# Altium PCB precursor_pvt2b.PcbDoc (part 5 of 7)
Units mm, origin at the board's own origin, x right, y up, seen from the top; angles counter-clockwise.
Board outline 62.8 x 62.65 mm, 6 copper layers (L1, L2, L3, L6, L7, L8), stack 0.693 mm thick; 424 components, 311 nets, 2038 pads, 2293 vias.
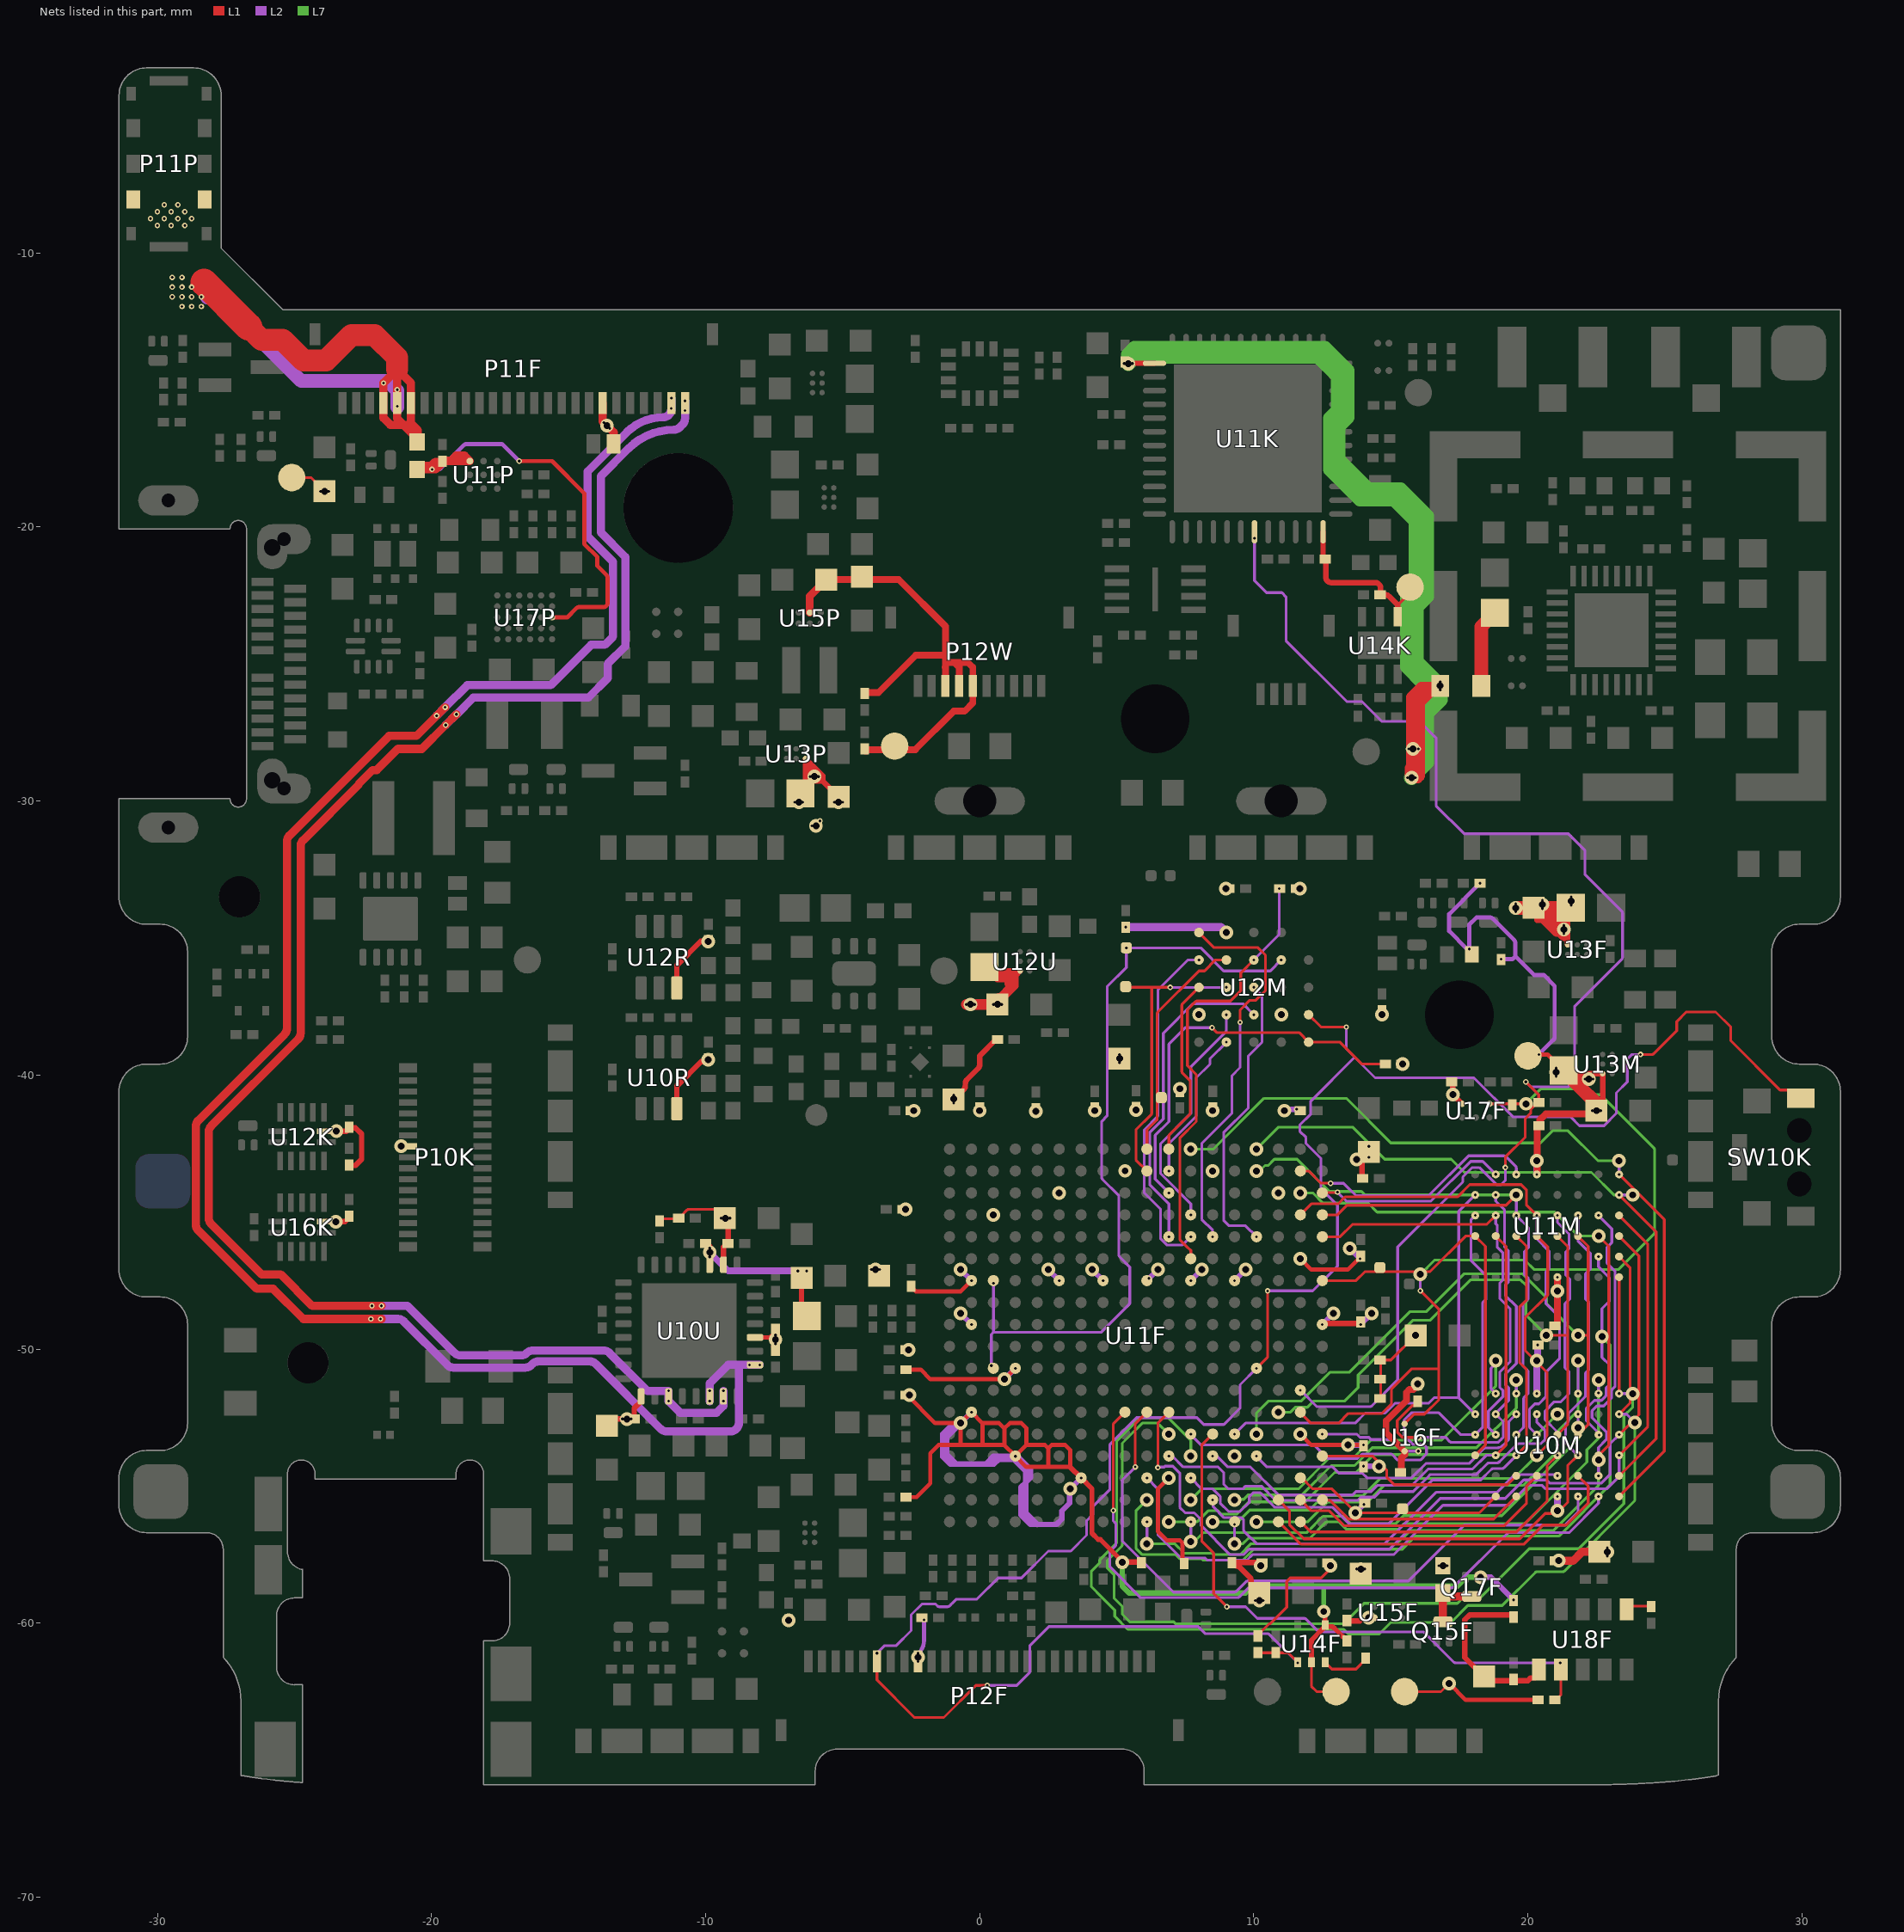
[diagram p9: the nets of this part, all layers, seen from the top]

## Via types
v1: diameter 0.2, hole 0.1, L1 to L2, tented both sides, 1440 vias
v2: diameter 0.5, hole 0.25, L2 to L7, tented both sides, 638 vias
v3: diameter 0.2, hole 0.1, L7 to L8, tented both sides, 179 vias
v4: diameter 0.5, hole 0.25, L1 to L8, 25 vias
v5: diameter 0.5, hole 0.25, L1 to L8, tented top, 5 vias
v6: diameter 0.5, hole 0.2, L1 to L8, 4 vias
v7: diameter 0.4, hole 0.25, L1 to L8, 2 vias

## Nets (pads, with @x,y where several pads share a name; then routed paths per layer and width w, separated by ;. In a path a pad name is that pad's centre, name@x,y a point inside that pad or via, vN(x,y) a via of type N, cw(c..) or ccw(c..) an arc to the next point about the centre after c; other vN are vias at no path point) (continued)
P1.8V_SBY: C10M.1 C11M.1 C12M.1 C13M.1 C14M.1 C15M.2 C20M.1 D11F.1 L10M.2 pad.TP@20,-39.3 R10M.1 R11M.1 R38F.1 R39F.2 U10M.D6 U10M.E1 U11M.D6 U11M.E1 U13M.A2 U16F.A2 U17F.A2 | length 34.8
  L1 w0.15: v1(20.4,-39.25) 20.715,-39.25 L10M.2@21.3,-39.835
  L1 w0.2: R10M.1@17.26,-40.31 v2(17.26,-40.71) ; v1@17.32,-40.77 v2(17.26,-40.71) ; U17F.A2@17.6,-41.05 v2(17.26,-40.71) ; L10M.2@21.3,-39.835 21.415,-39.95 U13M.A2@22.725,-39.95 C20M.1@22.725,-41.075
  L1 w0.25: C15M.2@15.325,-54.5 15.365,-54.5 15.385,-54.48 15.385,-53.98 15.5,-53.865 U16F.A2@15.5,-53.725 14.825,-53.05 14.825,-52.625 15.563,-51.887 15.563,-51.587 15.675,-51.475 15.815,-51.475 15.975,-51.315 v1(15.975,-51.275) ; v1(20.325,-43.625) 20.333,-43.617 20.333,-41.87 20.353,-41.85 20.4,-41.85 20.435,-41.815 20.435,-41.64 20.65,-41.425 22.375,-41.425 v2(22.5,-41.3) ; C10M.1@21,-49.15 21.04,-49.15 21.075,-49.115 v1(21.075,-47.375) ; U10M.E1@21.067,-55.383 v1(21.075,-55.375)
  L1 w0.3: C12M.1@21.025,-57.725 21.65,-57.725 21.975,-57.4 C14M.1@22.6,-57.4
  L1 w0.5: v1@22.05,-40.2 21.665,-40.2 21.565,-40.1 21.56,-40.1 L10M.2@21.338,-39.878 ; v2(22.5,-41.3) ccw(c22.021,-41.156) 22.51,-41.05 21.843,-40.383 21.339,-39.879 cw(c21.693,-39.526) L10M.2@21.338,-39.878 ; L10M.2@21.338,-39.878 cw(c21.693,-39.526) L10M.2@21.3,-39.835 21.3,-39.84 L10M.2@21.338,-39.878
  L2 w0.15: v1(18.25,-33) 17.125,-34.125 17.125,-34.75 17.775,-35.4 v1(17.86,-35.4) 17.86,-34.515 18.125,-34.25 18.613,-34.25 cw(c18.613,-34.4) 18.719,-34.294 19.495,-35.07 cw(c19.39,-35.177) 19.54,-35.177 19.54,-35.665 ; v1(19.025,-35.775) 19.429,-35.775 19.54,-35.665 ; v1(20.4,-39.25) 20.931,-38.719 ccw(c20.825,-38.613) 20.975,-38.613 20.975,-36.75 20.575,-36.35 20.225,-36.35 19.54,-35.665
  L2 w0.25: v1(20.325,-51.625) v2(20.325,-50.425) 20.35,-50.4 v1(20.35,-49.85) ; v1(20.325,-43.625) v2(20.325,-43.125) ; v2(21.075,-55.9) v1(21.075,-55.375) ; v2(21.075,-47.875) v1(21.075,-47.375)
  other v1: 21.118,-57.712 22.9,-57.55 22.9,-57.25 22.35,-41.3 22.65,-41.3 17.26,-40.71 22.075,-40.15 22.375,-40.15 21.025,-40.05 21.025,-39.75
  other v2: 21.118,-57.712 22.9,-57.4 15.975,-51.275 22.225,-40.15 21.025,-39.9
P1.8V_T: C12R.2 C16M.1 C17M.1 C17R.2 C18F.1 C18M.1 C29F.1 C30F.2 C31F.1 C31U.1 C32F.1 C32U.1 C35F.1 C38F.1 C39F.1 C40F.2 C41F.1 C42F.1 C43F.1 C44F.1 C52F.2 C53F.1 C54F.1 C55F.2 C56F.1 C57F.1 C58F.1 C59F.1 C62F.1 C67F.2 C68F.1 L10F.1 L13F.2 P12F.18 pad.TP@15.5,-62.5 R13F.2 R13M.2 R15F.2 R19F.1 R21F.2 R22F.2 R24F.2 R30F.1 R31F.1 R34F.1 U10R.6 U10U.3 U11F.B10 U11F.B12 U11F.D8 U11F.F12 U11F.H12 U11F.K12 U11F.L3 U11F.M12 U11F.N17 U11F.P4 U11F.P12 U11F.T16 U11F.U5 U11F.U13 U11F.V10 U12M.B4 U12M.D1 U12M.E4 U12R.6 U13F.A2 U15F.3 | length 68.7
  L1 w0.1: R24F.2@10.15,-60.47 10.15,-60.425 10.55,-60.025 10.595,-60.025 11.2,-59.42 11.2,-58.483 11.329,-58.354 11.334,-58.354 11.338,-58.35 12.45,-58.35 12.705,-58.095 C59F.1@12.705,-57.8 ; R19F.1@14.625,-51.8 14.625,-50.4 15,-50.4 v2(15.9,-49.5) ; pad.TP@15.5,-62.5 16.825,-62.5 v1(17.125,-62.2)
  L1 w0.15: C56F.1@-2.675,-50.75 -2.15,-50.75 -1.8,-51.1 v2(0.9,-51.1) v1(1.3,-50.7) ; C58F.1@-2.5,-47.725 -2.5,-47.75 -2.415,-47.835 -2.39,-47.835 -2.325,-47.9 -0.7,-47.9 v1(-0.3,-47.5) ; v1(6.9,-54.7) 6.5,-55.1 6.5,-56.65 6.825,-56.975 7.3,-56.975 7.4,-57.075 C52F.2@7.4,-57.8 ; C41F.1@9.2,-57.775 C41F.1@9.212,-57.787 ; C44F.1@10.263,-57.787 C44F.1@10.275,-57.8 ; v2(11.7,-53.1) 12.1,-53.5 13.95,-53.5 C43F.1@14,-53.55 ; v2(11.7,-46.7) 12.1,-47.1 13.425,-47.1 13.835,-46.69 13.9,-46.69 C57F.1@13.9,-46.65 ; C38F.1@13.95,-43.05 C38F.1@14.2,-42.8 ; v1(17.125,-62.2) 17.725,-62.8 R31F.1@20.35,-62.8
  L1 w0.2: U10R.6@-11.05,-41.225 -11.05,-40.4 -10.16,-39.51 -9.96,-39.51 -9.9,-39.45 v1(-9.9,-39.438) C12R.2@-9.9,-39.425 ; U12R.6@-11.05,-36.825 -11.05,-36 -10.175,-35.125 v1(-9.9,-35.125) ; C31U.1@-9.995,-46.15 -9.95,-46.15 -9.85,-46.25 U10U.3@-9.85,-46.925 ; C32U.1@-6.5,-47.4 -6.5,-48.59 L10F.1@-6.3,-48.79 L10F.1@-6.3,-48.785 ; C41F.1@9.2,-57.775 ccw(c9.387,-57.704) 9.246,-57.846 9.256,-57.856 ccw(c9.397,-57.714) 9.357,-57.91 9.397,-57.918 cw(c9.357,-58.114) 9.499,-57.974 9.842,-58.317 cw(c9.7,-58.458) 9.9,-58.457 ; C41F.1@9.212,-57.787 C44F.1@10.263,-57.787 ; 9.9,-58.458 9.9,-58.6 C39F.1@10.2,-58.9 ; v1(12.5,-49.1) 12.538,-49.062 13.863,-49.062 C31F.1@13.9,-49.025 ; C35F.1@13.4,-59.925 13.863,-59.925 13.983,-59.805 U15F.3@14.4,-59.805 ; C62F.1@13.95,-43.775 C38F.1@13.95,-43.05 ; C18F.1@20.2,-33.9 C18F.1@20.325,-34.025 ; U13F.A2@21.45,-35.25 21.45,-35.006 ; L13F.2@21.565,-33.9 L13F.2@21.45,-34.015 ; C18F.1@20.325,-34.025 20.4,-34.1 20.65,-34.35 20.65,-34.375 ; C18F.1@20.325,-34.025 20.325,-34.35 20.625,-34.35 20.65,-34.375 ; 20.65,-34.375 21.281,-35.006 ; 21.281,-35.006 21.45,-35.006 ; 21.281,-35.006 21.281,-34.758 21.281,-34.184 L13F.2@21.45,-34.015 ; 21.45,-35.006 L13F.2@21.45,-34.015
  L1 w0.4: C18F.1@20.4,-34.1 20.725,-34.1 21.15,-34.525 21.15,-34.758 ; 20.65,-34.35 21.058,-34.758 21.15,-34.758 ; v1@21.281,-34.758 21.15,-34.758
  L1 w0.5: 19.625,-33.9 C18F.1@20.2,-33.9 L13F.2@21.565,-33.9
  L2 w0.15: v2@-2.229,-61.392 -2.229,-61.106 ccw(c-2.702,-60.633) -2.033,-60.633 -2.033,-59.909 cw(c-1.883,-59.909) v1(-2.031,-59.882)
  L2 w0.2: v2(-0.7,-48.7) v1(-0.3,-49.1) ; v2(-0.7,-47.1) v1(-0.3,-47.5) ; v2(0.9,-51.1) v1(1.3,-50.7) ; v2(2.5,-47.1) v1(2.9,-47.5) ; v2(4.1,-47.1) v1(4.5,-47.5) ; v1(6.174,-47.417) 6.183,-47.417 v2(6.5,-47.1) ; v1(7.7,-47.5) v2(8.1,-47.1) ; v1(9.3,-47.5) v2(9.7,-47.1) ; v2(11.109,-41.3) 11.159,-41.25 v1(11.559,-41.25) ; v1(12.5,-49.1) v2(12.9,-48.7) ; v2(13.434,-53.5) v1(14,-53.5) ; v2(13.5,-46.325) v1(13.875,-46.7) ; v2@13.625,-56.05 v2(13.7,-55.975) 14.005,-55.67 v1(14.017,-55.67) ; v2(13.751,-43.075) 14.125,-43.075 v1(14.2,-43) v1(14.2,-42.6) ; v1(13.9,-49.1) v2(14.3,-48.7) ; v1(14,-54.275) v2(14.566,-54.275)
  L2 w0.25: v2(-9.85,-46.475) -9.175,-47.15 v1(-6.635,-47.15) v1(-6.315,-47.15)
  L2 w0.3: v1(5.325,-34.6) 8.8,-34.6 v2(9,-34.8)
  other v1: -2.25,-61.4 -2.25,-61.1 -6.975,-59.9 14.192,-59.805 10.05,-59.175 10.35,-59.175 13.75,-58.025 14.05,-58.025 16.75,-57.9 17.05,-57.9 10.225,-57.85 12.775,-57.85 9.3,-53.9 11.7,-53.1 -2.596,-50.035 15.9,-49.5 11.7,-46.7 -9.85,-46.635 -9.85,-46.315 10.9,-44.3 8.5,-43.5 8.5,-41.3 5.7,-41.275 7.3,-40.5 15.425,-39.6 5.1,-39.55 5.1,-39.25 8,-37.8 11,-37.8 14.675,-37.8 21.309,-34.842 9,-34.8 21.309,-34.542 19.55,-34.05 20.525,-33.925 21.575,-33.8 19.55,-33.75 20.525,-33.625 21.575,-33.5 8.975,-33.2 11.684,-33.197
  other v2: 17.125,-62.2 -2.25,-61.25 -6.975,-59.9 14.192,-59.805 10.2,-59.175 13.9,-58.025 10.25,-57.9 12.8,-57.9 16.9,-57.9 6.9,-54.7 9.3,-53.9 -2.596,-50.035 10.9,-44.3 8.5,-43.5 8.5,-41.3 5.7,-41.275 7.3,-40.5 15.425,-39.6 -9.9,-39.438 5.1,-39.4 8,-37.8 11,-37.8 14.675,-37.8 -9.9,-35.125 21.309,-34.692 19.55,-33.9 20.525,-33.775 21.575,-33.65 8.975,-33.2 11.684,-33.197
P1.8V_T_DIS: Q15F.3 Q17F.3 R21F.1 | length 2.2
  L1 w0.3: Q15F.3@16.9,-59.95 R21F.1@16.9,-58.9 17.025,-59.025 Q17F.3@17.95,-59.025
P2.5V: C18K.1 C23K.1 pad.TP@15.7,-22.2 U11K.24 U14K.1 | length 6.2
  L1 w0.1: 15.25,-22.85 pad.TP@15.642,-22.458
  L1 w0.2: U11K.24@12.526,-20.177 12.526,-21.101 12.6,-21.175 12.625,-21.175 12.625,-21.832 ccw(c12.825,-21.832) 12.825,-22.032 14.425,-22.032 cw(c14.425,-22.232) 14.625,-22.232 14.625,-22.475 14.792,-22.475 cw(c14.792,-22.675) 14.933,-22.533 14.989,-22.589 15.191,-22.791 ; 15.192,-22.792 15.249,-22.849 ; U14K.1@15.25,-23.275 15.25,-22.85 ; pad.TP@15.642,-22.458 ccw(c15.5,-22.317) 15.7,-22.317 pad.TP@15.7,-22.2
P3.3V: C19K.1 C20K.1 C24P.1 C26K.1 C33U.2 D10U.2 J10U.1 L12P.2 L13W.2 P10K.24 P11F.20 pad.TP@-25.1,-18.2 R13K.2 U11K.1 U12K.14 U13P.A2 U16K.14 | length 89.1
  L1 w0.1: pad.TP@-25.1,-18.2 -24.4,-18.2 v2(-23.9,-18.7)
  L1 w0.2: U16K.14@-23.835,-45.35 -23.15,-45.35 -23,-45.2 C19K.1@-23,-45.175 ; U12K.14@-23.835,-42.05 v1(-23.467,-42.05) -23.1,-42.05 -23,-41.95 -23,-41.925 -22.775,-41.925 -22.55,-42.15 -22.55,-43.075 -22.775,-43.3 R13K.2@-23,-43.3 ; C24P.1@-5.15,-29.85 -5.725,-29.275 ; C20K.1@5.3,-14 5.327,-14.027 U11K.1@6.376,-14.027 ; L12P.2@-6.35,-29.535 -6.35,-28.683 ; L12P.2@-6.35,-29.535 -6.175,-29.36 v1@-6.175,-29.109 ; L12P.2@-6.35,-29.535 L12P.2@-6.54,-29.725 -6.535,-29.725 -6.085,-29.275 -5.725,-29.275 ; -6.35,-28.683 U13P.A2@-6.35,-28.45 -6.038,-28.763 ; -6.35,-28.683 -6.175,-28.858 v1@-6.175,-29.109 ; v1@-6.175,-29.109 v1@-5.891,-29.109 ; v1@-6.175,-29.109 -6.141,-29.075 v1@-5.925,-29.075 ; -6.038,-28.763 -5.725,-29.075 ; -6.038,-28.763 -6.038,-28.962 v1@-5.925,-29.075 ; v1@-5.925,-29.075 v1@-5.891,-29.109 ; v1@-5.925,-29.075 -5.725,-29.075 ; v1@-5.891,-29.109 -5.725,-29.275 ; v1@-5.891,-29.109 -5.725,-29.275 ; -5.725,-29.275 -5.725,-29.075
  L1 w0.3: P11F.20@-13.75,-15.475 -13.75,-16.15 -13.35,-16.55 D10U.2@-13.35,-16.975 ; 15.7,-29.2 15.691,-29.184 cw(c15.956,-29.044) 15.656,-29.044 15.656,-28.852 cw(c15.956,-28.852) 15.745,-28.64 ; 15.925,-26.512 15.925,-26.275 ; J10U.1@16.642,-25.883 16.1,-26.425 ; J10U.1@16.8,-25.875 J10U.1@16.8,-25.8 16.4,-25.8 ; 15.7,-27.431 15.7,-28.595 15.745,-28.64 ; 15.7,-27.431 15.925,-27.656 ; 15.7,-27.431 15.7,-26.5 ; 15.7,-26.5 15.7,-26.2 16.1,-25.8 16.4,-25.8 ; 15.7,-26.5 15.925,-26.275 ; 15.745,-28.64 15.925,-28.459 ; 15.855,-29.045 ccw(c15.625,-28.852) 15.925,-28.851 15.925,-28.459 ; 15.855,-29.045 16.1,-28.8 ; 15.855,-29.045 15.7,-29.2 16,-29.2 16.1,-29.1 16.1,-28.8 ; 15.925,-28.459 15.925,-27.656 ; 15.925,-27.656 15.925,-27.19 ; 15.925,-27.19 15.925,-26.724 cw(c16.225,-26.724) 16.013,-26.512 16.1,-26.425 ; 15.925,-27.19 16.1,-27.365 ; 15.925,-26.275 16.1,-26.1 ; 16.1,-28.8 16.1,-27.365 ; 16.1,-27.365 16.1,-26.425 ; 16.1,-26.425 16.1,-26.1 ; 16.1,-26.1 16.4,-25.8
  L1 w0.5: J10U.1@18.3,-25.8 18.3,-23.64 18.8,-23.14 L13W.2@18.8,-23.135
  L7 w0.54: v2(5.422,-14.04) 5.422,-13.716 5.651,-13.488 12.588,-13.488 13.4,-14.3 13.4,-16 13.075,-16.325 ; v2@5.432,-14.027 5.685,-13.775 12.35,-13.775 13.075,-14.5 13.075,-15.764 ; v2@15.8,-29.1 v2@15.85,-29.05 ; 12.8,-16.6 12.8,-16.039 13.075,-15.764 ; 12.8,-16.6 13.075,-16.325 ; 12.8,-16.6 12.8,-17.9 13.875,-18.975 15.125,-18.975 ; 13.075,-16.325 13.075,-15.764 ; 13.075,-16.325 13.075,-17.55 14.175,-18.65 14.8,-18.65 ; 14.8,-18.65 15.35,-18.65 15.675,-18.975 ; 14.8,-18.65 15.125,-18.975 ; 15.125,-18.975 15.675,-18.975 ; 15.125,-18.975 15.925,-19.775 15.925,-22.285 ; 15.6,-24.6 15.6,-25.1 16.161,-25.661 ; 15.6,-24.6 15.925,-24.925 ; 15.6,-24.6 15.6,-23.245 ; 15.6,-23.245 15.6,-22.61 15.925,-22.285 ; 15.6,-23.245 15.925,-22.92 ; 15.675,-18.975 16.3,-19.6 16.3,-22.545 15.925,-22.92 ; v2@15.85,-29.05 16.3,-28.6 16.3,-26.806 ; v2@15.85,-29.05 15.85,-26.75 16.161,-26.439 ; 15.925,-24.925 16.161,-25.161 ; 15.925,-24.925 15.925,-22.92 ; 15.925,-22.92 15.925,-22.285 ; 16.161,-26.439 16.3,-26.3 ; 16.161,-26.439 16.161,-26.161 ; 16.161,-26.161 16.161,-25.661 ; 16.161,-26.161 16.3,-26.3 ; 16.161,-25.661 16.161,-25.161 ; 16.161,-25.161 v2@16.8,-25.8 ; 16.3,-26.806 16.3,-26.3 ; 16.3,-26.806 16.8,-26.306 v2@16.8,-25.8 ; 16.3,-26.3 v2@16.8,-25.8
  other v1: -23.492,-45.35 -21.1,-42.6 -6.125,-30.905 -5.825,-30.725 -6.75,-30.05 -6.45,-30.05 -5.3,-30.05 -5,-30.05 15.602,-29.148 15.902,-29.148 -6.183,-29.109 -5.883,-29.109 15.645,-28.102 16,-28.1 16.8,-25.95 16.8,-25.65 -24.05,-18.7 -23.75,-18.7 -13.494,-16.406 -13.707,-16.193 5.272,-14.04 5.572,-14.04
  other v2: -23.492,-45.35 -21.1,-42.6 -23.467,-42.05 -5.975,-30.905 -6.6,-30.05 -5.15,-30.05 15.752,-29.148 -6.033,-29.109 15.8,-28.1 16.8,-25.8 -13.6,-16.3
P3.3V_A: C12U.1 C13U.1 C14U.1 C27U.1 C29U.1 C33F.1 C36U.1 C37U.2 C45F.1 C46F.1 C47F.2 C48F.1 C49F.1 C50F.1 C51F.1 C71F.2 C72F.1 C73F.1 C74F.1 L12U.2 pad.TP@13,-62.5 R25F.2 R26F.2 R32F.2 R35P.2 U10U.2 U10U.17 U10U.28 U11F.B6 U11F.C15 U11F.D4 U11F.F16 U11F.G3 U11F.J17 U12U.A2 U14F.2 U14F.4 | length 83.6
  L1 w0.1: R26F.2@-11.6,-45.245 -10.95,-45.245 -10.9,-45.195 -10.9,-45.191 cw(c-10.8,-45.191) -10.871,-45.121 -10.679,-44.929 cw(c-10.609,-45) -10.61,-44.9 -9.666,-44.9 cw(c-9.666,-45) -9.596,-44.929 C13U.1@-9.3,-45.225 ; U14F.2@12.1,-61.425 12.1,-62.3 12.3,-62.5 pad.TP@13,-62.5
  L1 w0.15: U10U.28@-8.2,-49.575 -7.712,-49.575 ; -7.606,-49.575 -7.525,-49.575 v2(-7.45,-49.65) ; C27U.1@-7.534,-49.916 -7.45,-50 C27U.1@-7.45,-50.045 ; C29U.1@-7.494,-49.419 -7.606,-49.531 cw(c-7.712,-49.425) -7.712,-49.575 ; v1(-7.45,-49.81) -7.685,-49.575 -7.712,-49.575 ; C72F.1@-2.675,-55.4 -2.3,-55.4 -1.8,-54.9 -1.8,-53.8 -1.5,-53.5 -0.717,-53.5 ; C73F.1@-2.675,-51.675 -2.65,-51.675 -1.625,-52.7 v2(-0.7,-52.7) ; -0.717,-53.5 0.067,-53.5 ; -0.717,-53.5 -0.7,-53.483 v2(-0.7,-52.7) ; v2(-0.7,-52.7) v1(-0.3,-52.3) 0.1,-52.7 ; 0.067,-53.5 0.9,-53.5 ; 0.067,-53.5 0.1,-53.467 0.1,-52.7 ; 0.1,-52.7 0.7,-52.7 0.9,-52.9 ; 0.9,-53.5 0.9,-52.9 ; 0.9,-53.5 U11F.D4@1.3,-53.9 ; 0.9,-52.9 1.1,-52.7 1.525,-52.7 1.7,-52.875 1.7,-53.5 ; U11F.D4@1.3,-53.9 1.7,-54.3 2.5,-54.3 ; U11F.D4@1.3,-53.9 1.7,-53.5 ; 1.7,-53.5 2.375,-53.5 2.45,-53.575 2.5,-53.625 ; 2.5,-54.3 3.3,-54.3 3.3,-53.675 3.125,-53.5 2.625,-53.5 2.5,-53.625 ; 2.5,-54.3 2.5,-53.625
  L1 w0.18: v1(3.7,-54.7) 4.095,-55.095 4.095,-56.72 4.325,-56.95 4.4,-56.95 5.2,-57.75 v1(5.2,-57.775) ; U14F.2@12.1,-61.425 12.1,-60.625 U14F.4@12.6,-60.125 ; v1(12.55,-59.575) 12.6,-59.625 U14F.4@12.6,-60.075 U14F.4@12.6,-60.125 ; C33F.1@13.4,-60.645 ccw(c13.229,-60.701) 13.334,-60.555 13.257,-60.498 cw(c13.363,-60.353) 13.235,-60.48 12.933,-60.178 ccw(c12.805,-60.305) 12.805,-60.125 U14F.4@12.6,-60.125
  L1 w0.2: C14U.1@-13.6,-52.8 -13.35,-52.55 C37U.2@-12.605,-52.55 -12.605,-52.155 -12.35,-51.9 U10U.17@-12.35,-51.725 ; U10U.2@-9.35,-46.925 -9.35,-46.275 -9.225,-46.15 C36U.1@-9.18,-46.15 -9.18,-45.345 C13U.1@-9.3,-45.225 ; C27U.1@-7.45,-50 v1(-7.45,-49.81) v2(-7.45,-49.65) v1(-7.45,-49.49) C29U.1@-7.45,-49.28 ; C46F.1@-0.909,-40.809 -0.95,-40.85 C46F.1@-0.95,-40.9 -0.584,-40.534 ccw(c-0.725,-40.392) -0.525,-40.392 -0.525,-40.308 cw(c-0.325,-40.308) -0.466,-40.166 -0.059,-39.759 ccw(c-0.2,-39.617) 0,-39.617 0,-39.3 0.6,-38.7 R35P.2@0.625,-38.7 ; L12U.2@0.313,-36.203 0.175,-36.065 L12U.2@0.175,-36.06 L12U.2@0.315,-36.2 ; L12U.2@0.463,-36.353 0.585,-36.475 0.59,-36.475 0.64,-36.525 1.025,-36.525 ; v2(0.65,-37.425) 1.325,-36.75 1.325,-36.525 ; C12U.1@0.677,-37.116 0.734,-37.116 1.075,-36.775 ; 1,-36.525 1,-36.617 ccw(c1.2,-36.617) 1.059,-36.759 1.075,-36.775 ; 3.3,-54.3 v1(3.7,-54.7) ; v1(5.2,-57.775) C71F.2@5.9,-57.775 ; L12U.2@0.315,-36.2 0.465,-36.35 1.025,-36.35 ; L12U.2@0.315,-36.2 U12U.A2@1.475,-36.2 1.325,-36.35 ; 1.025,-36.525 1.325,-36.525 ; 1.025,-36.525 1.025,-36.35 ; 1.025,-36.35 1.325,-36.35 ; 1.075,-36.775 1.325,-36.525 ; 1.325,-36.525 1.325,-36.35
  L1 w0.4: v1@-0.475,-37.425 v1(-0.189,-37.425) v1(0.5,-37.425) v2(0.65,-37.425)
  L2 w0.2: v1(-0.3,-52.3) v2(-0.7,-52.7) v2@-0.757,-52.757 ; v1(1.3,-53.912) 1.293,-53.906 0.806,-53.906 ; v1(1.3,-53.912) cw(c1.298,-54.112) 1.44,-53.972 1.585,-54.117 ; 1.675,-54.289 1.675,-54.455 ; 1.675,-54.288 ccw(c1.475,-54.289) 1.617,-54.148 ; v1(3.7,-54.7) v2(3.3,-55.1) 3.282,-55.118 3.282,-55.618 3,-55.9 3,-56.2 2.8,-56.4 2.1,-56.4 ; v2(18.275,-58.325) 18.65,-58.325 v1(19.475,-59.15) ; -0.85,-54.2 0.017,-54.2 ; -0.85,-54.2 -1.075,-54.2 -1.35,-53.925 -1.35,-53.1 -1.007,-52.757 v2@-0.757,-52.757 ; -0.85,-54.2 -1.2,-53.85 -1.2,-53.2 v2@-0.757,-52.757 ; 0.017,-54.2 ccw(c0.017,-53.199) 0.019,-54.2 ; 0.017,-54.2 0.019,-54.2 ; 0.019,-54.2 ccw(c0.017,-53.199) 0.236,-54.176 ; 0.019,-54.2 0.519,-54.2 0.687,-54.032 ; 0.236,-54.176 ccw(c0.017,-53.199) 0.572,-54.032 ; 0.236,-54.176 0.506,-53.906 0.804,-53.906 ; 0.572,-54.032 ccw(c0.017,-53.199) 0.674,-53.955 cw(c0.805,-54.106) 0.804,-53.906 ; 0.572,-54.032 0.687,-54.032 ; 0.687,-54.032 1.251,-54.032 1.675,-54.455 ; 0.804,-53.906 cw(c0.805,-54.106) 0.806,-53.906 ; 0.804,-53.906 0.806,-53.906 ; 1.585,-54.117 1.617,-54.148 ; 1.585,-54.117 1.617,-54.148 ; 1.617,-54.148 1.85,-54.382 1.85,-54.691 1.675,-54.866 ; 1.675,-54.866 1.675,-54.455 ; 1.675,-54.866 1.675,-55.975 2.1,-56.4 ; 1.675,-54.866 1.5,-55.041 1.5,-56.05 1.85,-56.4 2.1,-56.4
  L7 w0.18: v1(12.55,-59.575) 12.55,-58.65
  L7 w0.2: v1(5.2,-57.775) 5.2,-58.65 5.45,-58.9 9.7,-58.9 9.95,-58.65 12.55,-58.65 17.425,-58.65 17.75,-58.325 v2(18.275,-58.325)
  other v1: -13.035,-52.55 -12.715,-52.55 -2.565,-51.679 -3.95,-47.1 -3.65,-47.1 -9.435,-45.225 -9.115,-45.225 0.5,-45.1 -2.7,-44.9 2.9,-44.3 5.303,-43.497 2.05,-41.325 -2.4,-41.3 0,-41.3 4.2,-41.3 -0.95,-41.025 -0.95,-40.725 -0.489,-37.425 0.8,-37.425
  other v2: 12.55,-59.575 5.2,-57.775 -12.875,-52.55 -2.565,-51.679 -3.8,-47.1 -9.275,-45.225 0.5,-45.1 -2.7,-44.9 2.9,-44.3 5.303,-43.497 2.05,-41.325 -2.4,-41.3 0,-41.3 4.2,-41.3 -0.95,-40.875 -0.339,-37.425
P5.0V: C28P.1 C29P.1 C29W.2 C30W.2 P12W.3 P12W.4 P12W.5 pad.TP@-3.1,-28 U15P.B2 | length 20.5
  L1 w0.25: C29P.1@-5.6,-21.925 -2.95,-21.925 -1.25,-23.625 -1.25,-24.687 ; C30W.2@-4.2,-26.05 -3.7,-26.05 -2.337,-24.687 -1.25,-24.687 ; C29W.2@-4.14,-28.185 -4.165,-28.185 -4.2,-28.15 -4.2,-28.125 -2.35,-28.125 -0.95,-26.725 -0.55,-26.725 -0.25,-26.425 P12W.5@-0.25,-25.8 -0.25,-25.125 -0.435,-24.94 -0.935,-24.94 ; -1.262,-25.125 -1.25,-25.137 ; P12W.3@-1.25,-25.925 P12W.3@-1.25,-25.8 -1.25,-25.137 ; P12W.4@-0.75,-25.925 P12W.4@-0.75,-25.8 -0.75,-25.125 -0.935,-24.94 ; -1.25,-25.137 -1.25,-24.94 ; -1.25,-24.94 -1.25,-24.687 ; -1.25,-24.94 -0.935,-24.94
  L1 w0.28: U15P.B2@-6.2,-23.125 -6.2,-22.525 C29P.1@-5.6,-21.925
PACK_P: C21P.2 J11P.1 P11F.4 P11F.5 P11F.6 P11P.1 P11P.2 U11P.C3 U17P.F3 | length 46
  L1 w0.15: v1(-16.8,-17.6) -15.6,-17.6 -14.425,-18.775 -14.425,-20.625 ; U17P.F3@-15.6,-23.3 -15.05,-23.3 -14.719,-22.969 cw(c-14.613,-23.075) -14.613,-22.925 -13.725,-22.925 ccw(c-13.725,-22.775) -13.575,-22.774 -13.575,-21.862 ccw(c-13.725,-21.862) -13.619,-21.756 -13.95,-21.425 -13.95,-21.1 -14.425,-20.625 ; -14.425,-19.413 -14.425,-20.625
  L1 w0.3: J11P.1@-20.525,-16.9 -20.525,-16.898 ccw(c-20.825,-16.899) -20.614,-16.686 -20.936,-16.364 ccw(c-21.149,-16.575) -20.938,-16.362 -21.025,-16.275 ; J11P.1@-20.5,-17.9 -20.14,-17.9 ; J11P.1@-20.5,-17.825 -20.442,-17.767 -20.008,-17.767 ; J11P.1@-20.5,-16.686 -20.5,-16.475 -20.75,-16.225 ; -21.25,-14.25 -20.75,-14.75 P11F.6@-20.75,-15.475 -20.75,-16.225 ; -21.25,-14.25 P11F.5@-21.25,-15.475 -21.25,-16.05 -21.025,-16.275 ; -21.25,-14.25 v1(-21.75,-14.75) P11F.4@-21.75,-15.475 -21.75,-16.025 -21.5,-16.275 -21.025,-16.275 ; -21.025,-16.275 -20.75,-16.275 -20.75,-16.225 ; -20.14,-17.9 -20.008,-17.767 ; -20.14,-17.9 v1(-19.98,-17.9) -19.85,-17.9 -19.6,-17.65 C21P.2@-19.6,-17.625 ; -20.008,-17.767 -19.865,-17.625 C21P.2@-19.6,-17.625 ; C21P.2@-19.6,-17.625 C21P.2@-19.6,-17.61 ; C21P.2@-19.6,-17.61 -19.6,-17.6 -19.59,-17.59 -19.29,-17.59 -19.1,-17.4 -18.8,-17.4 U11P.C3@-18.6,-17.6 -19.59,-17.6 C21P.2@-19.6,-17.61
  L1 w0.8: -26.675,-12.7 -26.2,-13.175 -25.425,-13.175 -24.925,-13.675 -24.675,-13.925 -23.85,-13.925 -22.925,-13 -22.075,-13 -21.25,-13.825 -21.25,-14.25
  L1 w1: -28.3,-11.075 -26.675,-12.7
  L2 w0.15: v1(-19.98,-17.9) -19.762,-17.9 ccw(c-19.762,-17.75) -19.656,-17.856 -18.819,-17.019 cw(c-18.713,-17.125) -18.713,-16.975 -17.425,-16.975 v1(-16.8,-17.6)
  L2 w0.5: -28.175,-11.625 -27.8,-11.625 -24.75,-14.675 -21.6,-14.675 -21.25,-15.025 v1@-21.25,-15.625
  other v1: -21.25,-15.599 -21.25,-14.995 -29.104,-11.957 -28.75,-11.957 -28.396,-11.957 -29.457,-11.604 -29.104,-11.604 -28.75,-11.604 -28.396,-11.604 -29.457,-11.25 -29.104,-11.25 -28.75,-11.25 -29.457,-10.896 -29.104,-10.896 -30,-9 -29.5,-9 -29,-9 -30.25,-8.75 -29.75,-8.75 -29.25,-8.75 -28.75,-8.75 -30,-8.5 -29.5,-8.5 -29,-8.5 -29.75,-8.25 -29.25,-8.25